# KiCad board AMC_FMC_Carrier-PcbDoc.kicad_pcb (continued)
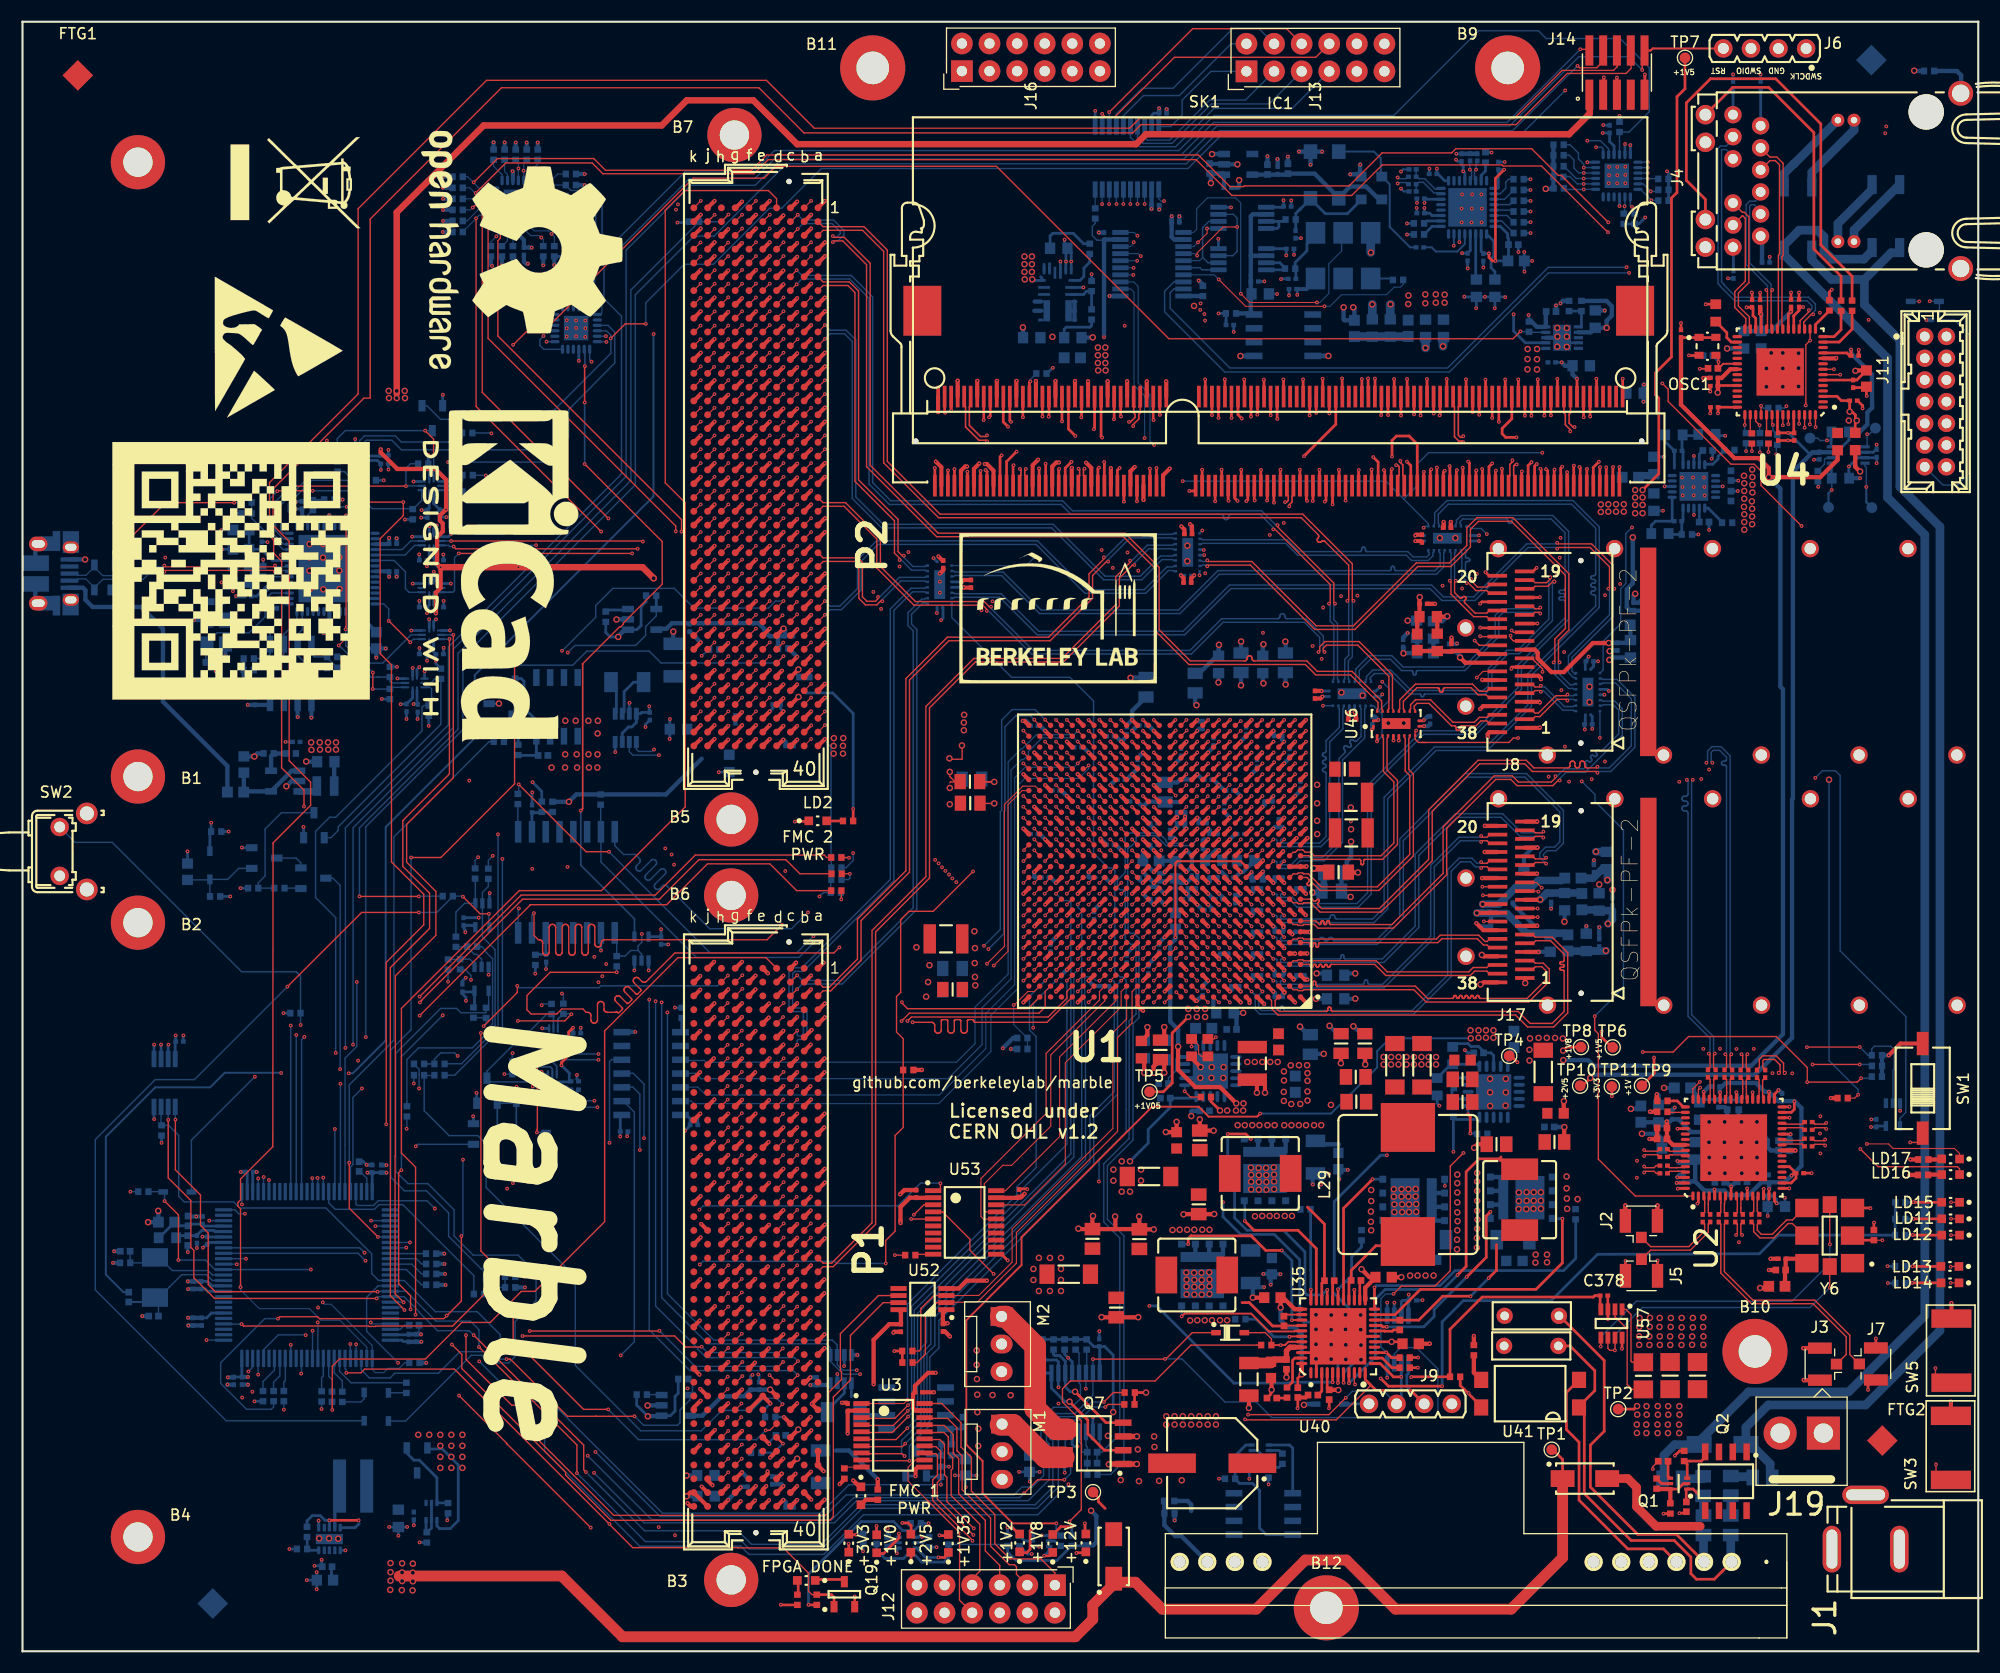
[diagram p0: board, top side]
## Routing (per net, layer and track width the routed paths; a pad name or vN(x,y) marks a point on that pad's centre or on a via; arc(x,y) is an arc through that point) (continued)
/SDRAM/DDR3_DQ61: length 57.4
  Top w0.254: U1.V3 v1(116.12,77.73) ; v1(140.68,113.77) 140.67,113.76 140.67,113.75 SK1.182
  In4.Cu w0.135: 140.62,113.71 140.66,113.81
  In7.Cu w0.135: v1(140.68,113.77) 140.68,113.44 140.42,113.19 137.11,113.19 135.71,111.79 135.71,110.82 136.76,109.77 136.76,108.06 136.24,107.54 136.19,107.5 136.13,107.47 136.07,107.46 136,107.46 135.93,107.47 135.87,107.5 135.82,107.54 135.59,107.77 135.54,107.82 135.48,107.85 135.41,107.86 135.34,107.86 135.28,107.85 135.22,107.82 135.17,107.77 135.12,107.72 135.1,107.66 135.08,107.6 135.08,107.53 135.1,107.46 135.12,107.4 135.17,107.35 136.05,106.47 136.09,106.41 136.12,106.35 136.14,106.29 136.14,106.22 136.12,106.16 136.09,106.09 136.05,106.04 136,106 135.94,105.97 135.87,105.96 135.8,105.96 135.74,105.97 135.68,106 135.63,106.04 134.74,106.93 134.69,106.97 134.63,107 134.56,107.01 134.5,107.01 134.43,107 134.37,106.97 134.32,106.93 134.28,106.87 134.25,106.81 134.23,106.75 134.23,106.68 134.25,106.62 134.28,106.55 134.32,106.5 134.55,106.27 134.59,106.22 134.62,106.16 134.63,106.09 134.63,106.03 134.62,105.96 134.59,105.9 134.55,105.85 134.04,105.34 128.12,99.42 128.12,91.72 125.64,89.23 125.64,88.06 125.23,87.66 125.23,85.15 119.28,79.2 117.08,79.2 116.12,78.24 v1(116.12,77.73)
/SDRAM/DDR3_DQ62: length 57.3
  Top w0.254: U1.U6 v1(113.12,76.73) ; SK1.192 143.67,113.61 v1(143.68,113.59)
  In4.Cu w0.135: v1(143.68,113.59) 143.68,111.64 143.68,111.61 143.67,111.58 143.66,111.55 143.64,111.53 143.61,111.52 143.58,111.51 143.52,111.5 143.5,111.49 143.47,111.48 143.45,111.45 143.43,111.43 143.42,111.4 143.42,111.37 143.42,111.34 143.42,111.31 143.43,111.28 143.45,111.25 143.47,111.23 143.5,111.22 143.52,111.21 143.58,111.2 143.61,111.19 143.64,111.18 143.66,111.15 143.67,111.13 143.68,111.1 143.68,111.07 143.68,109.03 143.65,108.99 143.65,108.78 142.62,107.75 142.62,105.83 138.6,101.82 138.6,99.56 135.1,96.05 135.1,93.03 130.65,88.59 130.65,85.92 123.26,78.53 122.29,78.53 121.61,77.84 120.49,77.84 119.75,77.09 113.48,77.09 v1(113.12,76.73)
/SDRAM/DDR3_DQ63: length 62.4
  Top w0.254: U1.U5 v1(114.12,76.73) ; v1(144.28,113.66) 144.27,113.67 SK1.194
  In4.Cu w0.135: v1(114.12,76.73) 114.51,76.34 117.65,76.34 ; 117.65,76.34 118.31,76.34 ; 117.65,76.34 118.56,76.34 118.92,75.97 121.33,75.97 122.43,77.07 123.11,77.07 129.35,83.31 129.37,83.31 129.55,83.49 129.55,83.52 131.34,85.31 131.34,88.43 135.79,92.88 135.79,95.88 139.01,99.1 139.01,101.37 143.2,105.57 143.2,107.53 144.33,108.66 144.33,108.99 144.28,109.05 144.28,110.2 144.29,110.26 144.31,110.33 144.35,110.38 144.39,110.43 144.45,110.47 144.52,110.49 144.58,110.5 144.91,110.5 144.97,110.5 145.04,110.53 145.09,110.56 145.14,110.61 145.18,110.67 145.2,110.73 145.21,110.8 145.2,110.86 145.18,110.93 145.14,110.98 145.09,111.03 145.04,111.07 144.97,111.09 144.91,111.1 144.12,111.1 144.08,111.1 144.05,111.11 144.02,111.13 143.99,111.16 143.97,111.19 143.96,111.22 143.96,111.26 143.96,111.53 143.96,111.57 143.97,111.6 143.99,111.63 144.02,111.66 144.05,111.68 144.08,111.69 144.12,111.7 144.91,111.7 144.97,111.7 145.04,111.73 145.09,111.76 145.14,111.81 145.18,111.87 145.2,111.93 145.21,112 145.2,112.06 145.18,112.13 145.14,112.18 145.09,112.23 145.04,112.27 144.97,112.29 144.91,112.3 144.28,112.3 144.28,112.31 144.12,112.31 144.08,112.31 144.05,112.32 144.02,112.34 143.99,112.37 143.97,112.4 143.96,112.44 143.96,112.47 143.96,112.75 143.96,112.78 143.97,112.82 143.99,112.85 144.02,112.87 144.05,112.89 144.08,112.9 144.16,112.91 144.19,112.92 144.22,112.94 144.25,112.97 144.27,113 144.28,113.04 144.28,113.07 v1(144.28,113.66)
/SDRAM/PGOOD: length 209.7
  Top w0.127: v1(137.86,121.5) 137.18,120.82 105.51,120.82 89.63,136.69 69.34,136.69 68.25,135.6 61.73,135.6 51.57,125.44 51.57,125.11 47.9,121.44 46.34,121.44 v1(45.16,120.26)
  In2.Cu w0.127: v1(30.17,28.29) 30.17,33.87 39.24,42.94 39.24,56.15 37.77,57.62 37.77,78.65 44.45,85.33 44.45,101.87 45.16,102.58 v1(45.16,120.26)
  Bottom w0.127: U31.9 138.7,121.41 R29.2 137.9,121.46 v1(137.86,121.5) ; U54.80 30.17,26.97 v1(30.17,28.29)
/THERM: length 172.7
  In2.Cu w0.127: v1(96.26,15.38) 96.26,17.31 95.9,17.68 95.9,23.2 96.16,23.46 96.57,23.46 96.6,23.43 97.1,23.43 97.84,24.17 v1(97.86,24.17) ; v1(48.05,19.75) 48.25,19.95 48.25,54.53 48.12,54.67 48.12,55.83 48.17,55.88 48.17,62.3 47.67,62.8 47.67,101.11 52.37,105.81 v1(52.37,118.71)
  Bottom w0.127: v1(48.05,19.75) 48.05,18.43 56.8,9.68 66.1,9.68 66.86,8.92 73.75,8.92 77.39,12.56 93.44,12.56 v1(96.26,15.38) ; v1(52.37,118.71) 52.2,118.88 U39.7 ; v1(97.86,24.17) 97.88,24.18 U27.6 97.94,25.66 R130.2 97.88,27.7
/USB/USB_D_N: length 21.9
  Top w0.112: v1(13.05,99.38) 13.17,99.49 23.12,99.49 v1(23.24,99.38)
  Bottom w0.112: J10.2 4.95,98.55 5.11,98.71 5.82,98.71 6.62,97.92 D13.2 6.62,97.9 7.4,98.68 11.11,98.68 11.93,99.49 12.93,99.49 v1(13.05,99.38) ; v1(23.24,99.38) 23.36,99.49 24.46,99.49 U23.7
/USB/USB_D_P: length 21.9
  Top w0.112: v1(23.24,99.95) 23.12,99.83 13.17,99.83 v1(13.05,99.95)
  Bottom w0.112: J10.3 4.95,99.2 5.11,99.04 5.83,99.04 6.62,99.83 D13.3 6.62,99.77 7.38,99.01 10.98,99.01 11.79,99.83 12.93,99.83 v1(13.05,99.95) ; U23.8 24.46,99.83 23.36,99.83 v1(23.24,99.95)
/USB_TCK: length 2
  Bottom w0.127: R230.1 40.35,106.88 U26.5
/USB_TDI_DO: length 2.7
  Bottom w0.127: U26.4 40.04,107.28 40.5,107.74 R231.1
/USB_TDO_DI: length 11.2
  Bottom w0.127: U33.4 31.04,111.45 31.47,111.88 34.3,111.88 34.86,111.32 40.14,111.32 40.46,111.64 R233.1
/USB_TMS: length 10
  Bottom w0.127: U33.5 31.44,111.27 31.65,111.48 33.98,111.48 34.87,110.59 R232.1
/WhiteRabbit/WR_DAC_OUT1: length 10
  Bottom w0.254: C109.1 117.19,130.8 R93.1 117.19,132.36 117.61,132.79 117.63,132.79 ; 123.11,133.45 123.06,133.45 121.93,132.33 119.91,132.33 118.54,133.7 Y2.1 ; 118.23,133.44 Y2.1 ; Y2.1 118.54,133.7 117.63,132.79 ; 117.4,132.56 117.63,132.79
/WhiteRabbit/WR_DAC_OUT2: length 5.9
  Bottom w0.254: C108.1 117.19,127.21 R92.1 117.13,127.84 118.21,128.92 118.21,129.51 119,130.3 Y3.1 118.37,129.94
DDR_REF_CLK_N: length 3.5
  Bottom w0.13: R22.2 128.26,134.39 C410.2 128.34,135.04 128.52,135.22 128.92,135.22 129.9,134.25 130.46,134.25 U20.31
DDR_REF_CLK_P: length 3.5
  Bottom w0.13: R23.2 128.26,136.41 C379.2 128.34,135.73 128.52,135.55 129.06,135.55 130.03,134.58 130.46,134.58 U20.32
FMC1_DP0_C2M_N: length 44.3
  Top w0.13: P1.C3 v1(71.29,60.95)
  Bottom w0.13: v1(71.29,60.95) 71.76,61.42 75.44,61.42 82.31,68.29 82.31,94.06 81.82,94.55 81.82,95.45 82.89,96.52 83.07,96.52 83.15,96.44 83.33,96.44
FMC1_DP0_C2M_P: length 44.3
  Top w0.13: P1.C2 v1(71.29,62.22)
  Bottom w0.13: v1(71.29,62.22) 71.76,61.75 75.28,61.75 81.98,68.44 81.98,93.93 81.49,94.41 81.49,95.59 82.76,96.85 83.07,96.85 83.15,96.94 83.33,96.94
FMC1_DP0_M2C_N: length 50.6
  Top w0.112: P1.C7 70.72,55.25
  Top w0.13: 70.72,55.25 v1(71.3,55.83)
  Bottom w0.13: 83.33,97.44 83.15,97.44 83.07,97.52 81.91,97.52 80.2,95.81 80.2,70.92 71.87,62.59 71.08,62.59 70.88,62.38 70.88,59.44 71.11,59.21 71.87,59.21 72.2,58.89 72.2,56.72 71.8,56.32 71.38,56.32 71.3,56.23 v1(71.3,55.83)
FMC1_DP0_M2C_P: length 50.7
  Top w0.112: P1.C6 70.69,56.52
  Top w0.13: 70.69,56.52 v1(71.3,57.13)
  Bottom w0.13: v1(71.3,57.13) 71.3,56.73 71.38,56.65 71.66,56.65 71.87,56.85 71.87,58.75 71.73,58.88 70.97,58.88 70.55,59.31 70.55,62.52 70.95,62.92 71.73,62.92 79.87,71.05 79.87,95.94 81.78,97.85 83.07,97.85 83.15,97.94 83.33,97.94
FMC1_DP1_C2M_N: length 87.1
  Top w0.13: v1(102.33,100) 102.17,100 100.95,98.78 100.95,96.21 95.8,91.06 87.7,91.06 83.47,86.84 83.47,71.17 78.51,66.21 78.51,39.3 74.61,35.4 73.68,35.4 P1.A23
  Bottom w0.13: v1(102.33,100) 102.33,100.15 103.66,101.48 105.87,101.48 105.96,101.4 106.13,101.4
FMC1_DP1_C2M_P: length 87.1
  Top w0.13: P1.A22 73.68,35.73 74.47,35.73 78.19,39.44 78.19,66.35 83.14,71.31 83.14,86.98 87.56,91.39 95.66,91.39 100.62,96.35 100.62,98.92 101.94,100.23 v1(101.94,100.39)
  Bottom w0.13: v1(101.94,100.39) 102.09,100.39 103.52,101.81 105.87,101.81 105.96,101.9 106.13,101.9
FMC1_DP1_M2C_N: length 64.2
  Top w0.13: P1.A3 73.68,60.8 74.39,60.8 77.17,63.58 77.17,67.25 81.63,71.71 81.63,89.4 85.26,93.02 94.58,93.02 98.49,96.92 98.49,99.03 99.76,100.3 v1(99.91,100.3)
  Bottom w0.13: v1(99.91,100.3) 99.91,100.46 101.94,102.48 105.87,102.48 105.96,102.4 106.13,102.4
FMC1_DP1_M2C_P: length 64.2
  Top w0.13: v1(99.52,100.69) 99.52,100.54 98.16,99.17 98.16,97.06 94.44,93.35 85.12,93.35 81.31,89.53 81.31,71.85 76.84,67.39 76.84,63.72 74.25,61.13 73.68,61.13 P1.A2
  Bottom w0.13: v1(99.52,100.69) 99.68,100.69 101.8,102.81 105.87,102.81 105.96,102.9 106.13,102.9
FMC1_LA_0_N: length 47.3
  Top w0.102: 100.6,67.22 100.6,67.21 v1(100.12,66.72)
  Top w0.112: P1.G7 65.62,55.25 v1(66.2,55.83)
  In9.Cu w0.1: v1(100.12,66.72) 99.48,66.08 99.48,58.78 97.36,56.66 74.76,56.66 73.55,57.86 65.76,57.86 65.48,57.58 65.48,56.55 v1(66.2,55.83)
FMC1_LA_0_P: length 47.8
  Top w0.102: U1.H17 v1(101.12,66.73)
  Top w0.112: P1.G6 65.59,56.52 v1(66.2,57.13)
  In9.Cu w0.1: v1(101.12,66.73) 100.85,66.73 100.75,66.63 100.75,66.32 100.53,66.1 99.95,66.1 99.77,65.91 99.77,63.9 99.77,63.9 99.77,61.56 99.77,61.56 99.77,58.66 97.48,56.37 74.64,56.37 73.43,57.57 65.88,57.57 65.77,57.46 65.77,56.74 65.89,56.63 66.11,56.63 66.2,56.71 v1(66.2,57.13)
FMC1_LA_1_N: length 45.2
  Top w0.102: v1(100.12,64.73) 100.12,64.73 U1.F18
  Top w0.112: P1.D9 69.43,52.71 v1(70.05,53.33)
  In9.Cu w0.1: v1(70.05,53.33) 70.05,53.72 69.96,53.81 69.68,53.81 69.24,54.25 69.24,54.96 69.6,55.32 76.3,55.32 76.77,54.85 96.85,54.85 101.48,59.48 101.48,64.87 101.26,65.09 100.48,65.09 v1(100.12,64.73)
FMC1_LA_1_P: length 44.7
  Top w0.102: U1.G17 v1(101.12,65.73)
  Top w0.112: P1.D8 69.45,53.98 v1(70.05,54.58)
  In9.Cu w0.1: v1(101.12,65.73) 100.9,65.51 100.9,65.42 100.94,65.38 101.38,65.38 101.77,64.99 101.77,59.36 96.97,54.56 76.65,54.56 76.18,55.03 69.72,55.03 69.53,54.84 69.53,54.37 69.8,54.1 69.95,54.1 70.05,54.2 v1(70.05,54.58)
FMC1_LA_2_N: length 45.7
  Top w0.102: U1.J20 v1(98.12,67.73)
  Top w0.112: P1.H8 64.32,54 v1(64.9,54.58)
  In4.Cu w0.1: v1(98.12,67.73) 97.76,68.09 96.95,68.09 96.77,67.9 96.77,67.56 96.77,67.56 96.77,66.9 96.77,66.9 96.77,59.68 91.65,54.57 82.57,54.57 82.08,55.06 65.38,55.06 v1(64.9,54.58)
FMC1_LA_2_P: length 45.7
  Top w0.102: U1.K20 v1(98.12,68.73)
  Top w0.112: P1.H7 64.32,55.25 v1(64.9,55.83)
  In4.Cu w0.1: v1(98.12,68.73) 97.76,68.38 96.83,68.38 96.48,68.02 96.48,67.02 96.48,59.8 91.53,54.86 82.69,54.86 82.2,55.35 65.38,55.35 v1(64.9,55.83)
FMC1_LA_3_N: length 54
  Top w0.11: U1.L18 101.13,70.74 v1(101.13,70.74)
  Top w0.112: P1.G10 65.61,51.44 v1(66.2,52.03)
  In7.Cu w0.1: v1(66.2,52.03) 66.2,52.43 66.1,52.54 65.71,52.54 65.38,52.86 65.38,53.64 65.86,54.11 75.81,54.11 76.27,54.57 97.19,54.57 101.48,58.87 101.48,59.44 101.48,59.44 101.48,68.02 101.48,68.02 101.48,68.44 101.48,68.44 101.48,70.02 101.48,70.02 101.48,70.39 v1(101.13,70.74)
FMC1_LA_3_P: length 53.5
  Top w0.11: U1.M17 102.11,70.74 v1(102.11,70.71)
  Top w0.112: P1.G9 65.59,52.72 v1(66.2,53.33)
  In7.Cu w0.1: v1(102.11,70.71) 101.77,70.37 101.77,68.56 101.77,68.56 101.77,67.9 101.77,67.9 101.77,59.56 101.77,59.56 101.77,58.75 97.31,54.28 76.39,54.28 75.93,53.82 65.98,53.82 65.67,53.52 65.67,52.98 65.83,52.83 66.1,52.83 66.2,52.92 v1(66.2,53.33)
FMC1_LA_4_N: length 45.7
  Top w0.11: U1.G20 v1(98.12,65.73)
  Top w0.112: v1(64.9,50.78) 64.32,50.2 P1.H11
  In4.Cu w0.1: v1(64.9,50.78) 65.38,51.26 67.49,51.26 68.67,52.44 91.14,52.44 97.77,59.07 97.77,65.81 98.04,66.07 98.3,66.07 98.34,66.03 98.34,65.95 v1(98.12,65.73)
FMC1_LA_4_P: length 46.2
  Top w0.11: U1.H19 v1(99.12,66.73)
  Top w0.112: v1(64.9,52.03) 64.32,51.45 P1.H10
  In4.Cu w0.1: v1(64.9,52.03) 65.38,51.55 67.37,51.55 68.55,52.73 91.02,52.73 97.48,59.19 97.48,65.93 97.92,66.36 98.75,66.36 v1(99.12,66.73)
FMC1_LA_5_N: length 41.9
  Top w0.11: v1(98.12,63.73) 98.12,63.73 U1.E20
  Top w0.112: v1(70,49.48) 69.42,48.9 P1.D12
  In4.Cu w0.1: v1(70,49.48) 70,49.82 69.84,49.99 69.4,49.99 69.14,50.24 69.14,51.28 69.4,51.54 91.17,51.54 98.48,58.85 98.48,63.88 98.41,63.95 98.34,63.95 v1(98.12,63.73)
FMC1_LA_5_P: length 42
  Top w0.11: U1.F19 v1(99.12,64.73)
  Top w0.112: P1.D11 69.4,50.18 v1(70,50.78)
  In4.Cu w0.1: v1(99.12,64.73) 98.77,64.38 98.77,58.73 91.29,51.25 69.52,51.25 69.43,51.16 69.43,50.36 69.52,50.28 69.85,50.28 70,50.43 v1(70,50.78)
FMC1_LA_6_N: length 44.4
  Top w0.11: U1.L20 v1(98.12,69.73)
  Top w0.112: v1(71.3,50.78) 70.69,50.17 P1.C11
  In2.Cu w0.1: v1(71.3,50.78) 71.3,51.18 71.22,51.26 70.91,51.26 70.53,51.64 70.53,52.38 71.08,52.93 75.07,52.93 78.39,56.25 92.82,56.25 96.47,59.9 96.47,65.04 96.81,65.38 98.31,65.38 98.47,65.55 98.47,69.38 v1(98.12,69.73)
FMC1_LA_6_P: length 43.9
  Top w0.11: U1.L19 v1(99.12,69.73)
  Top w0.112: v1(71.3,52.03) 70.71,51.44 P1.C10
  In2.Cu w0.1: v1(71.3,52.03) 71.3,51.64 71.21,51.55 71.03,51.55 70.82,51.76 70.82,52.26 71.2,52.64 75.19,52.64 78.51,55.96 92.95,55.96 96.76,59.78 96.76,64.92 96.93,65.09 98.43,65.09 98.76,65.43 98.76,69.38 v1(99.12,69.73)
FMC1_LA_7_N: length 46.2
  Top w0.11: U1.D20 98.12,62.73 v1(98.12,62.73)
  Top w0.112: P1.H14 64.33,46.36 v1(64.95,46.98)
  In2.Cu w0.1: v1(64.95,46.98) 64.95,47.23 64.72,47.46 64.56,47.46 64.37,47.27 64.37,46.85 64.65,46.57 66.78,46.57 69.21,49 75.33,49 79.22,52.89 92.32,52.89 98.47,59.04 98.47,62.38 v1(98.12,62.73)
FMC1_LA_7_P: length 47.7
  Top w0.11: U1.D19 v1(99.12,62.73)
  Top w0.112: P1.H13 64.35,47.63 v1(64.95,48.23)
  In2.Cu w0.1: v1(64.95,48.23) 64.95,47.88 64.82,47.75 64.44,47.75 64.08,47.39 64.08,46.73 64.53,46.28 66.9,46.28 69.33,48.71 75.45,48.71 79.34,52.6 92.44,52.6 98.76,58.92 98.76,62.38 v1(99.12,62.73)
FMC1_LA_8_N: length 45.1
  Top w0.11: U1.F20 98.12,64.73 v1(98.12,64.73)
  Top w0.112: v1(66.2,48.23) 65.6,47.63 P1.G13
  In2.Cu w0.1: v1(66.2,48.23) 65.48,48.95 65.48,49.9 65.89,50.32 74.36,50.32 78.81,54.77 92.88,54.77 97.47,59.36 97.47,64.08 v1(98.12,64.73)
FMC1_LA_8_P: length 46.2
  Top w0.11: U1.G19 v1(99.12,65.73)
  Top w0.112: 65.59,48.92 P1.G12 65.59,48.92 v1(66.2,49.53)
  In2.Cu w0.1: v1(66.2,49.53) 66.2,49.11 66.12,49.03 65.99,49.03 65.77,49.25 65.77,49.78 66.01,50.03 74.48,50.03 78.93,54.48 93,54.48 97.76,59.24 97.76,63.96 98.18,64.38 98.29,64.38 98.47,64.56 98.47,64.67 99.12,65.32 v1(99.12,65.73)
FMC1_LA_9_N: length 48.2
  Top w0.11: U1.J19 v1(99.12,67.73)
  Top w0.112: P1.D15 69.41,45.09 v1(70,45.68)
  In2.Cu w0.1: v1(70,45.68) 70,46 69.84,46.16 69.64,46.16 69.14,46.65 69.14,47.31 69.62,47.79 76.05,47.79 80.14,51.87 93.17,51.87 99.47,58.18 99.47,67.38 v1(99.12,67.73)
FMC1_LA_9_P: length 47.9
  Top w0.11: U1.J18 v1(100.12,67.73)
  Top w0.112: v1(70.05,46.98) 69.43,46.36 P1.D14
  In2.Cu w0.1: v1(100.12,67.73) 99.76,67.38 99.76,58.06 93.29,51.58 80.26,51.58 76.17,47.5 69.74,47.5 69.43,47.19 69.43,46.77 69.76,46.45 69.89,46.45 70.05,46.61 v1(70.05,46.98)
FMC1_LA_10_N: length 44.9
  Top w0.11: U1.G16 v1(102.12,65.73)
  Top w0.112: v1(71.3,45.68) 70.71,45.09 P1.C15
  In4.Cu w0.1: v1(102.12,65.73) 101.76,66.09 100.96,66.09 100.76,65.89 100.76,59.19 87.76,46.19 71.81,46.19 v1(71.3,45.68)
FMC1_LA_10_P: length 44.9
  Top w0.11: U1.H16 v1(102.12,66.73)
  Top w0.112: P1.C14 70.68,46.36 v1(71.3,46.98)
  In4.Cu w0.1: v1(102.12,66.73) 101.76,66.38 100.84,66.38 100.52,66.05 100.47,66 100.47,59.31 87.64,46.48 71.81,46.48 v1(71.3,46.98)
FMC1_LA_11_N: length 57.8
  Top w0.11: U1.K18 100.12,69.73 v1(100.11,69.73)
  Top w0.112: v1(64.95,43.18) 64.32,42.55 P1.H17
  In2.Cu w0.1: v1(100.11,69.73) 100.47,69.37 100.47,57.78 92.6,49.91 80.17,49.91 75.47,45.21 64.4,45.21 64.02,44.82 64.02,43.98 64.34,43.66 64.79,43.66 64.95,43.5 v1(64.95,43.18)
FMC1_LA_11_P: length 57.3
  Top w0.11: U1.L17 v1(101.12,69.73)
  Top w0.112: P1.H16 64.34,43.82 v1(64.95,44.43)
  In2.Cu w0.1: v1(64.95,44.43) 64.95,44.12 64.78,43.95 64.46,43.95 64.31,44.1 64.31,44.7 64.52,44.92 75.59,44.92 80.29,49.62 92.72,49.62 100.76,57.66 100.76,67.72 100.76,67.73 100.76,69.37 v1(101.12,69.73)
FMC1_LA_12_N: length 50.9
  Top w0.11: U1.F15 v1(103.12,64.73)
  Top w0.112: v1(66.2,44.38) 65.64,43.82 P1.G16
  In4.Cu w0.1: v1(103.12,64.73) 102.76,65.09 101.95,65.09 101.76,64.9 101.76,59.01 98.72,55.97 98.72,55.52 88.08,44.89 66.7,44.89 v1(66.2,44.38)
FMC1_LA_12_P: length 50.9
  Top w0.11: U1.G15 v1(103.12,65.73)
  Top w0.112: P1.G15 65.61,45.09 v1(66.2,45.68)
  In4.Cu w0.1: v1(103.12,65.73) 102.76,65.38 101.83,65.38 101.47,65.02 101.47,59.13 98.43,56.09 98.43,55.64 87.96,45.18 66.7,45.18 v1(66.2,45.68)
FMC1_LA_13_N: length 49.3
  Top w0.11: U1.D16 v1(102.12,62.73)
  Top w0.112: v1(70,41.88) 69.4,41.28 P1.D18
  In2.Cu w0.1: v1(70,41.88) 70,42.24 69.88,42.36 69.62,42.36 69.44,42.19 69.44,41.5 69.58,41.37 75.93,41.37 81.69,47.13 93.55,47.13 102.09,55.67 102.09,58.81 102.47,59.2 102.47,62.38 v1(102.12,62.73)
FMC1_LA_13_P: length 50.9
  Top w0.11: U1.D15 v1(103.12,62.73)
  Top w0.112: P1.D17 69.42,42.55 v1(70.05,43.18)
  In2.Cu w0.1: v1(70.05,43.18) 70.05,42.79 69.91,42.65 69.5,42.65 69.15,42.31 69.15,41.38 69.46,41.08 76.05,41.08 81.81,46.84 93.67,46.84 102.38,55.55 102.38,58.69 102.76,59.08 102.76,62.38 v1(103.12,62.73)
FMC1_LA_14_N: length 48.4
  Top w0.11: U1.E16 v1(102.12,63.73)
  Top w0.112: v1(71.3,40.63) 70.68,40.01 P1.C19
  In4.Cu w0.1: v1(71.3,40.63) 71.3,41.01 71.2,41.11 70.81,41.11 70.48,41.44 70.48,42.3 70.89,42.71 87.51,42.71 101.98,57.18 101.98,58.49 102.47,58.98 102.47,63.38 v1(102.12,63.73)
FMC1_LA_14_P: length 47.7
  Top w0.11: U1.E15 v1(103.12,63.73)
  Top w0.112: v1(71.25,41.83) 70.7,41.28 P1.C18
  In4.Cu w0.1: v1(71.25,41.83) 71.25,41.47 71.18,41.4 70.93,41.4 70.77,41.56 70.77,42.18 71.01,42.42 87.63,42.42 102.27,57.06 102.27,58.37 102.76,58.86 102.76,63.38 v1(103.12,63.73)
FMC1_LA_15_N: length 59.9
  Top w0.11: v1(102.12,67.73) 102.12,67.73 U1.J16
  Top w0.112: v1(64.95,39.38) 64.32,38.75 P1.H20
  In7.Cu w0.1: v1(64.95,39.38) 64.47,39.86 63.97,39.86 63.51,40.31 63.51,40.87 64.07,41.43 85.89,41.43 102.47,58.01 102.47,67.38 v1(102.12,67.73)
FMC1_LA_15_P: length 59.4
  Top w0.11: U1.J15 v1(103.12,67.73)
  Top w0.112: v1(64.95,40.63) 64.33,40.01 P1.H19
  In7.Cu w0.1: v1(64.95,40.63) 64.47,40.15 64.09,40.15 63.8,40.43 63.8,40.75 64.19,41.14 86.01,41.14 102.76,57.89 102.76,67.37 v1(103.12,67.73)
FMC1_LA_16_N: length 57.9
  Top w0.11: U1.K17 v1(101.12,68.73)
  Top w0.112: P1.G19 65.59,40.02 v1(66.2,40.63)
  In2.Cu w0.1: v1(101.12,68.73) 101.47,68.38 101.47,59.36 101.18,59.06 101.18,56.64 93.16,48.61 81.26,48.61 76.49,43.84 67.58,43.84 66.42,42.68 65.89,42.68 65.39,42.18 65.39,41.36 65.64,41.11 66.13,41.11 66.2,41.04 v1(66.2,40.63)
FMC1_LA_16_P: length 57.4
  Top w0.11: U1.K16 v1(102.12,68.73)
  Top w0.112: v1(66.2,41.88) 65.6,41.28 P1.G18
  In2.Cu w0.1: v1(66.2,41.88) 66.2,41.5 66.1,41.4 65.76,41.4 65.68,41.48 65.68,42.06 66.01,42.39 66.54,42.39 67.7,43.55 76.61,43.55 81.38,48.32 93.28,48.32 101.47,56.52 101.47,58.94 101.76,59.24 101.76,67.73 101.77,67.74 101.77,68.38 v1(102.12,68.73)
FMC1_LA_17_N: length 54.2
  Top w0.11: v1(109.1,62.74) 108.62,63.22 U1.D10
  Top w0.112: v1(70.05,38.08) 69.44,37.47 P1.D21
  In9.Cu w0.1: v1(70.05,38.08) 70.56,38.59 74.52,38.59 83.9,47.96 96.7,47.96 105.85,57.1 105.85,57.8 105.78,57.87 105.78,62.11 106.74,63.08 108.76,63.08 v1(109.1,62.74)
FMC1_LA_17_P: length 54.2
  Top w0.102: U1.E10 v1(109.12,63.73)
  Top w0.112: P1.D20 69.41,38.74 v1(70.05,39.38)
  In9.Cu w0.1: v1(109.12,63.73) 108.76,63.37 106.62,63.37 105.49,62.23 105.49,57.75 105.56,57.68 105.56,57.22 105.49,57.15 96.58,48.25 83.78,48.25 74.4,38.88 70.56,38.88 v1(70.05,39.38)
FMC1_LA_18_N: length 53.2
  Top w0.102: U1.C11 v1(108.12,61.73)
  Top w0.112: v1(71.3,35.53) 70.7,34.93 P1.C23
  In9.Cu w0.1: v1(108.12,61.73) 107.76,61.37 107.76,60.48 106.58,59.29 106.58,56.71 105.86,56 105.86,52.79 104.35,51.28 101.72,51.28 97.3,46.86 84.64,46.86 73.81,36.04 71.81,36.04 v1(71.3,35.53)
FMC1_LA_18_P: length 52.7
  Top w0.11: v1(107.1,61.74) 106.62,62.22 U1.C12
  Top w0.112: P1.C22 70.67,36.2 v1(71.3,36.83)
  In9.Cu w0.1: v1(107.1,61.74) 107.47,61.37 107.47,60.6 106.29,59.41 106.29,56.83 105.57,56.12 105.57,52.91 104.23,51.57 101.6,51.57 97.18,47.15 84.52,47.15 73.69,36.33 71.81,36.33 v1(71.3,36.83)
FMC1_LA_19_N: length 59.7
  Top w0.102: U1.G14 v1(104.12,65.73)
  Top w0.112: P1.H23 64.35,34.93 v1(64.95,35.53)
  In2.Cu w0.1: v1(64.95,35.53) 65.45,36.04 66.95,36.04 69.38,38.47 75.97,38.47 83.19,45.69 93.82,45.69 103.04,54.91 103.04,57.94 103.76,58.67 103.76,65.87 103.98,66.09 104.05,66.09 104.12,66.01 v1(104.12,65.73)
FMC1_LA_19_P: length 59.7
  Top w0.102: U1.H14 v1(104.12,66.73)
  Top w0.112: P1.H22 64.32,36.2 v1(64.95,36.83)
  In2.Cu w0.1: v1(104.12,66.73) 104.12,66.73 104.12,66.45 104.04,66.38 103.86,66.38 103.47,65.99 103.47,58.79 102.75,58.06 102.75,55.03 93.7,45.98 83.07,45.98 75.85,38.76 69.26,38.76 66.83,36.33 65.45,36.33 v1(64.95,36.83)
FMC1_LA_20_N: length 53
  Top w0.112: P1.G22 65.59,36.22 v1(66.2,36.83)
  Top w0.127: v1(103.12,59.72) 103.62,60.22 U1.A15
  In9.Cu w0.1: v1(66.2,36.83) 66.2,37.25 66.26,37.31 66.6,37.31 66.96,37.67 66.96,43.64 68.22,44.89 73.76,44.89 80.73,51.86 95.98,51.86 101.93,57.82 101.93,58.27 102.77,59.1 102.77,60.03 102.81,60.08 103.07,60.08 103.12,60.03 v1(103.12,59.72)
FMC1_LA_20_P: length 53
  Top w0.112: P1.G21 65.59,37.47 v1(66.2,38.08)
  Top w0.127: v1(103.12,60.73) 103.61,61.23 U1.B15
  In9.Cu w0.1: v1(103.12,60.73) 103.12,60.43 103.06,60.37 102.69,60.37 102.48,60.15 102.48,59.22 101.64,58.39 101.64,57.94 95.86,52.15 80.61,52.15 73.64,45.18 68.1,45.18 66.67,43.76 66.67,37.79 66.48,37.6 66.25,37.6 66.2,37.65 v1(66.2,38.08)
FMC1_LA_21_N: length 57.8
  Top w0.102: U1.D13 v1(105.12,62.73)
  Top w0.112: P1.H26 64.34,31.12 v1(64.95,31.73)
  In4.Cu w0.1: v1(64.95,31.73) 65.43,32.21 67.34,32.21 68.59,33.46 81.39,33.46 104.4,56.48 104.4,58.29 104.76,58.65 104.76,62.38 v1(105.12,62.73)
FMC1_LA_21_P: length 57.4
  Top w0.102: U1.D14 v1(104.12,62.73)
  Top w0.112: P1.H25 64.36,32.39 v1(64.95,32.98)
  In4.Cu w0.1: v1(64.95,32.98) 65.43,32.5 67.22,32.5 68.47,33.75 81.27,33.75 104.11,56.6 104.11,58.41 104.47,58.77 104.47,62.38 v1(104.12,62.73)
FMC1_LA_22_N: length 57.7
  Top w0.102: U1.A14 v1(104.12,59.73)
  Top w0.112: P1.G25 65.59,32.42 v1(66.2,33.03)
  In9.Cu w0.1: v1(104.12,59.73) 104.12,60.03 104.06,60.09 103.87,60.09 103.76,59.98 103.76,58.54 102.93,57.7 102.93,57.26 96.31,50.65 82.58,50.65 75.62,43.69 68.5,43.69 68.13,43.32 68.13,33.84 67.8,33.51 66.68,33.51 v1(66.2,33.03)
FMC1_LA_22_P: length 57.7
  Top w0.102: U1.B14 v1(104.12,60.73)
  Top w0.112: P1.G24 65.59,33.67 v1(66.2,34.28)
  In9.Cu w0.1: v1(66.2,34.28) 66.68,33.8 67.68,33.8 67.84,33.96 67.84,43.44 68.37,43.98 75.5,43.98 82.46,50.94 96.19,50.94 102.64,57.38 102.64,57.82 103.47,58.66 103.47,60.1 103.75,60.38 104.07,60.38 104.12,60.43 v1(104.12,60.73)
FMC1_LA_23_N: length 56.1
  Top w0.102: U1.F12 v1(107.12,64.73)
  Top w0.112: P1.D24 69.43,33.66 v1(70.05,34.28)
  In4.Cu w0.1: v1(70.05,34.28) 70.5,34.74 81.37,34.74 103.03,56.39 103.03,57.97 103.76,58.71 103.76,64.91 103.94,65.09 106.76,65.09 v1(107.12,64.73)
FMC1_LA_23_P: length 56.2
  Top w0.102: U1.G12 v1(107.12,65.73)
  Top w0.112: P1.D23 69.4,34.93 v1(70,35.53)
  In4.Cu w0.1: v1(107.12,65.73) 106.76,65.38 103.82,65.38 103.47,65.03 103.47,58.83 102.74,58.09 102.74,56.51 81.25,35.03 70.5,35.03 v1(70,35.53)
FMC1_LA_24_N: length 63.1
  Top w0.102: U1.A8 v1(111.12,59.73)
  Top w0.112: v1(64.95,27.93) 64.33,27.31 P1.H29
  In4.Cu w0.1: v1(64.95,27.93) 65.45,28.44 80.84,28.44 103.43,51.02 105.38,51.02 107.03,52.67 107.03,53.35 108.82,55.15 109.58,55.15 110.77,56.33 110.77,59.38 v1(111.12,59.73)
FMC1_LA_24_P: length 62.7
  Top w0.102: v1(110.12,59.73) 110.12,59.73 U1.A9
  Top w0.112: P1.H28 64.32,28.6 v1(64.95,29.23)
  In4.Cu w0.1: v1(64.95,29.23) 65.45,28.73 80.72,28.73 103.3,51.31 105.26,51.31 106.74,52.79 106.74,53.47 108.7,55.44 109.46,55.44 110.48,56.45 110.48,59.38 v1(110.12,59.73)
FMC1_LA_25_N: length 66.6
  Top w0.11: U1.G9 109.62,66.22 v1(110.12,65.72)
  Top w0.112: v1(66.2,29.23) 65.59,28.62 P1.G28
  In4.Cu w0.1: v1(110.12,65.72) 109.77,65.37 109.77,57.47 109.01,56.71 107.76,56.71 107.21,56.16 107.21,55.15 106.01,53.95 106.01,52.84 105,51.84 102.67,51.84 93.11,42.28 93.11,42.07 92.51,41.47 92.31,41.47 80.52,29.69 66.66,29.69 v1(66.2,29.23)
FMC1_LA_25_P: length 66.1
  Top w0.102: U1.G10 v1(109.12,65.73)
  Top w0.112: v1(66.2,30.43) 65.62,29.85 P1.G27
  In4.Cu w0.1: v1(66.2,30.43) 66.66,29.98 80.4,29.98 92.19,41.76 92.39,41.76 92.82,42.19 92.82,42.4 102.55,52.13 104.88,52.13 105.72,52.96 105.72,54.07 106.92,55.27 106.92,56.28 107.64,57 108.89,57 109.48,57.59 109.48,65.37 v1(109.12,65.73)
  In9.Cu w0.127: 109.12,65.73 v1(109.12,65.73)
